# Allegro board hash851-X26_V1_0_180425.brd (continued)
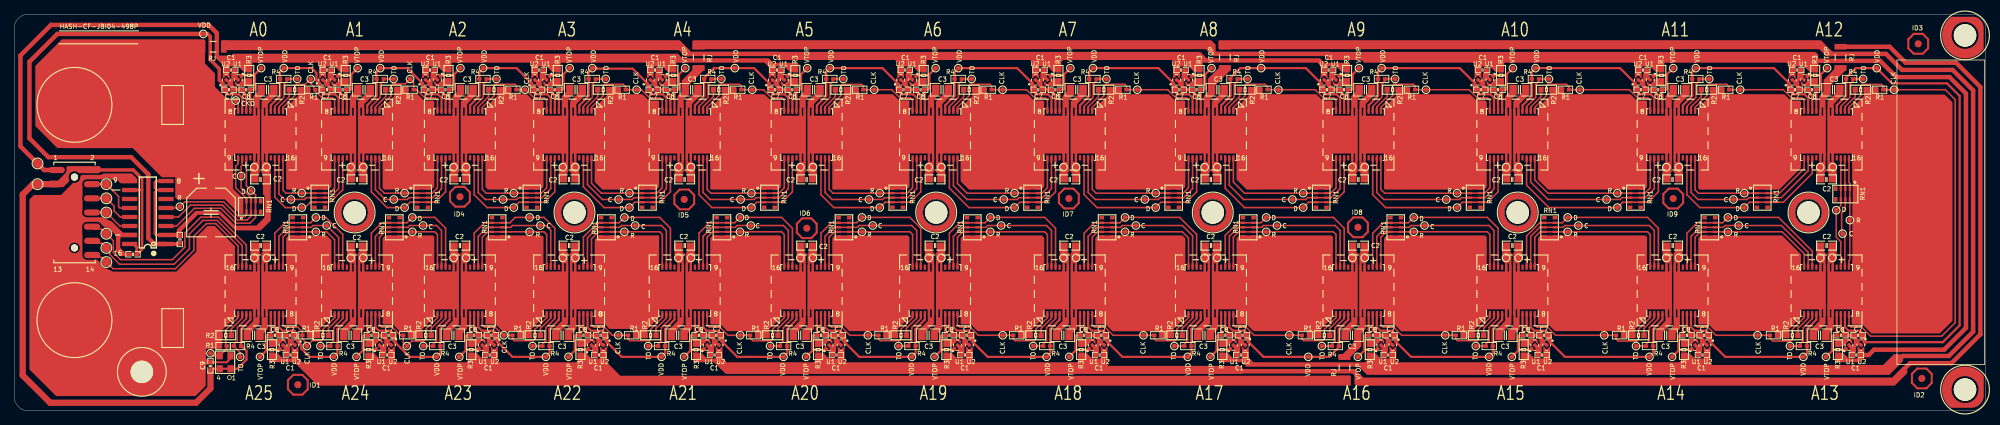
[diagram p0: board, top side]
## Copper pours and planes (outline as drawn; the poured copper is in the pictures) (continued)
VSS_A18 on TOP (solid shape): 151.02,12.86 151.03,12.84 151.03,11.65 151.76,10.92 152.91,10.92 153.07,10.92 153.09,10.9 153.09,10.38 153.48,10 153.48,9.68 153.56,9.6 153.68,9.6 153.99,9.29 153.99,9.27 153.7,8.98 153.66,8.98 153.37,9.26 153.1,9.26 152.99,9.15 152.99,8.27 152.84,8.13 152.84,7.75 152.72,7.62 152.21,7.62 152.09,7.75 152.09,8.86 151.84,9.12 151.84,9.4 151.96,9.53 152.08,9.52 152.33,9.27 152.54,9.27 152.68,9.41 152.68,10.03 152.31,10.39 151.07,10.39 151.05,10.41 151.05,11 150.69,11.35 150.69,13.97 151.02,13.97
VSS_A19 on TOP (solid shape): 132.02,12.86 132.03,12.84 132.03,11.65 132.76,10.92 133.91,10.92 134.07,10.92 134.09,10.9 134.09,10.38 134.48,10 134.48,9.68 134.56,9.6 134.68,9.6 134.99,9.29 134.99,9.27 134.7,8.98 134.66,8.98 134.37,9.26 134.1,9.26 133.99,9.15 133.99,8.27 133.84,8.13 133.84,7.75 133.72,7.62 133.21,7.62 133.09,7.75 133.09,8.86 132.84,9.12 132.84,9.4 132.96,9.53 133.08,9.52 133.33,9.27 133.54,9.27 133.68,9.41 133.68,10.03 133.31,10.39 132.07,10.39 132.05,10.41 132.05,11 131.69,11.35 131.69,13.97 132.02,13.97
VSS_A20 on TOP (solid shape): 113.92,12.86 113.93,12.84 113.93,11.65 114.66,10.92 115.81,10.92 115.97,10.92 115.99,10.9 115.99,10.38 116.38,10 116.38,9.68 116.46,9.6 116.58,9.6 116.89,9.29 116.89,9.27 116.6,8.98 116.56,8.98 116.27,9.26 116,9.26 115.89,9.15 115.89,8.27 115.74,8.13 115.74,7.75 115.62,7.62 115.11,7.62 114.99,7.75 114.99,8.86 114.74,9.12 114.74,9.4 114.86,9.53 114.98,9.52 115.23,9.27 115.44,9.27 115.58,9.41 115.58,10.03 115.21,10.39 113.97,10.39 113.95,10.41 113.95,11 113.59,11.35 113.59,13.97 113.92,13.97
VSS_A21 on TOP (solid shape): 96.72,12.86 96.73,12.84 96.73,11.65 97.46,10.92 98.61,10.92 98.77,10.92 98.79,10.9 98.79,10.38 99.18,10 99.18,9.68 99.26,9.6 99.38,9.6 99.69,9.29 99.69,9.27 99.4,8.98 99.36,8.98 99.07,9.26 98.8,9.26 98.69,9.15 98.69,8.27 98.54,8.13 98.54,7.75 98.42,7.62 97.91,7.62 97.79,7.75 97.79,8.86 97.54,9.12 97.54,9.4 97.67,9.53 97.78,9.52 98.03,9.27 98.24,9.27 98.38,9.41 98.38,10.03 98.01,10.39 96.77,10.39 96.75,10.41 96.75,11 96.39,11.35 96.39,13.97 96.72,13.97
VSS_A22 on TOP (solid shape): 80.42,12.86 80.43,12.84 80.43,11.65 81.16,10.92 82.31,10.92 82.47,10.92 82.49,10.9 82.49,10.38 82.88,10 82.88,9.68 82.96,9.6 83.08,9.6 83.39,9.29 83.39,9.27 83.1,8.98 83.06,8.98 82.77,9.26 82.5,9.26 82.39,9.15 82.39,8.27 82.24,8.13 82.24,7.75 82.12,7.62 81.61,7.62 81.49,7.75 81.49,8.86 81.24,9.12 81.24,9.4 81.36,9.53 81.48,9.52 81.73,9.27 81.94,9.27 82.08,9.41 82.08,10.03 81.71,10.39 80.47,10.39 80.45,10.41 80.45,11 80.09,11.35 80.09,13.97 80.42,13.97
VSS_A23 on TOP (solid shape): 65.02,12.86 65.03,12.84 65.03,11.65 65.76,10.92 67.16,10.92 67.16,10.32 67.61,9.87 67.61,9.66 67.65,9.62 67.66,9.6 67.68,9.6 67.99,9.29 67.99,9.27 67.7,8.98 67.66,8.98 67.37,9.26 67.1,9.26 66.99,9.15 66.99,8.27 66.84,8.13 66.84,7.75 66.72,7.62 66.21,7.62 66.09,7.75 66.09,8.86 65.84,9.12 65.84,9.4 65.96,9.53 66.08,9.52 66.33,9.27 66.53,9.27 66.68,9.41 66.68,10.03 66.31,10.39 65.07,10.39 65.05,10.41 65.05,11 64.69,11.35 64.69,13.97 65.02,13.97
VSS_A24 on TOP (solid shape): 50.52,12.86 50.53,12.84 50.53,11.65 51.26,10.92 52.41,10.92 52.57,10.92 52.59,10.9 52.59,10.38 52.98,10 52.98,9.68 53.06,9.6 53.18,9.6 53.49,9.29 53.49,9.27 53.2,8.98 53.16,8.98 52.87,9.26 52.6,9.26 52.49,9.15 52.49,8.27 52.34,8.13 52.34,7.75 52.22,7.62 51.71,7.62 51.59,7.75 51.59,8.86 51.34,9.12 51.34,9.4 51.46,9.53 51.58,9.52 51.83,9.27 52.04,9.27 52.18,9.41 52.18,10.03 51.81,10.39 50.57,10.39 50.55,10.41 50.55,11 50.19,11.35 50.19,13.97 50.52,13.97
VSS_A25 on TOP (solid shape): 36.92,12.86 36.93,12.84 36.93,11.65 37.66,10.92 38.67,10.92 38.67,10.43 38.92,10.19 39.19,10.19 39.38,10 39.38,9.68 39.46,9.6 39.58,9.6 39.89,9.29 39.89,9.27 39.6,8.98 39.56,8.98 39.27,9.26 39,9.26 38.89,9.15 38.89,8.27 38.74,8.13 38.74,7.75 38.62,7.62 38.11,7.62 37.99,7.75 37.99,8.86 37.74,9.12 37.74,9.4 37.86,9.53 37.98,9.52 38.23,9.27 38.44,9.27 38.58,9.41 38.58,10.03 38.21,10.39 36.97,10.39 36.95,10.41 36.95,11 36.59,11.35 36.59,13.97 36.92,13.97
LDO_VCC_A6 on TOP (solid shape): 95.37,50.8 95.37,50.16 95.24,50.04 94.61,50.04 93.72,50.93 29.33,50.93 29.2,51.05 29.2,52.2 29.33,52.32 93.84,52.32
LDO_VCC_A6 on TOP (solid shape): 168.14,49.78 184.13,49.78 184.78,49.14 188.25,49.14 188.35,49.04 188.35,47.97 188.25,47.87 187.13,47.87 186.4,48.6 185.25,48.6 185.17,48.52 185.17,46.96 185.16,46.96 185.1,46.96 184.7,47.35 184.31,46.96 184.25,46.96 184.21,47 184.21,48.7 183.76,49.15 167.66,49.15 167.55,49.04 167.55,47.97 167.45,47.87 166.33,47.87 165.6,48.6 164.45,48.6 164.37,48.52 164.37,46.96 164.36,46.96 164.3,46.96 163.9,47.35 163.51,46.96 163.45,46.96 163.41,47 163.41,49.3 163.18,49.53 147.95,49.53 147.65,49.23 147.65,47.97 147.55,47.87 146.43,47.87 145.7,48.6 144.55,48.6 144.47,48.52 144.47,46.96 144.46,46.96 144.4,46.96 144,47.35 143.61,46.96 143.55,46.96 143.51,47 143.51,49.27 143.25,49.53 128.77,49.53 128.65,49.41 128.65,47.97 128.55,47.87 127.43,47.87 126.7,48.6 125.55,48.6 125.47,48.52 125.47,46.96 125.46,46.96 125.4,46.96 125,47.35 124.61,46.96 124.55,46.96 124.51,47 124.51,48.51 124.55,48.55 124.55,49.18 124.2,49.53 107.69,49.53 107.43,49.78 107.43,50.67 167.25,50.67
LDO_VCC_A10 on TOP (solid shape): 169.41,51.69 169.41,50.42 169.28,50.29 168.77,50.29 168.01,51.05 95.62,51.05 95.62,52.2 95.75,52.32 168.77,52.32
LDO_VCC_A10 on TOP (solid shape): 260.38,8.65 260.77,9.04 260.83,9.04 260.87,9 260.87,7.49 260.24,6.86 256.84,6.86 256.73,6.96 256.73,8.03 256.84,8.13 257.95,8.13 258.68,7.4 259.84,7.4 259.92,7.48 259.92,9.04 259.92,9.04 259.99,9.04
LDO_VCC_A10 on TOP (solid shape): 254.37,50.29 254.37,49.19 254.35,49.17 254.35,47.97 254.25,47.87 253.13,47.87 252.4,48.6 251.25,48.6 251.17,48.52 251.17,46.96 251.16,46.96 251.1,46.96 250.7,47.35 250.31,46.96 250.25,46.96 250.21,47 250.21,48.87 249.93,49.16 232.78,49.16 232.65,49.02 232.65,47.97 232.55,47.87 231.43,47.87 230.7,48.6 229.55,48.6 229.47,48.52 229.47,46.96 229.46,46.96 229.4,46.96 229,47.35 228.61,46.96 228.55,46.96 228.51,47 228.51,48.98 228.33,49.16 210.18,49.16 210.05,49.02 210.05,47.97 209.95,47.87 208.83,47.87 208.1,48.6 206.95,48.6 206.87,48.52 206.87,46.96 206.86,46.96 206.8,46.96 206.4,47.35 206.01,46.96 205.95,46.96 205.91,47 205.91,49.1 205.85,49.16 204.83,49.16 204.83,49.15 190.36,49.15 189.98,49.53 185.16,49.53 185.03,49.66 185.03,50.55 185.16,50.67 253.99,50.67
LDO_VCC_A14 on TOP (solid shape): 256.4,50.67 256.4,50.16 256.28,50.04 255.51,50.04 254.5,51.05 169.92,51.05 169.79,51.18 169.79,52.2 169.92,52.32 254.75,52.32
LDO_VCC_A14 on TOP (solid shape): 173.58,8.65 173.97,9.04 174.03,9.04 174.07,9 174.07,7.53 174.74,6.86 190.48,6.86 190.73,7.11 190.73,8.03 190.84,8.13 191.95,8.13 192.69,7.4 193.84,7.4 193.92,7.48 193.92,9.04 193.92,9.04 193.99,9.04 194.38,8.65 194.77,9.04 194.83,9.04 194.87,9 194.87,7.05 195.06,6.86 212.18,6.86 212.43,7.11 212.43,8.03 212.54,8.13 213.65,8.13 214.38,7.4 215.54,7.4 215.62,7.48 215.62,9.04 215.62,9.04 215.69,9.04 216.08,8.65 216.47,9.04 216.53,9.04 216.57,9 216.57,7.07 216.78,6.86 234.78,6.86 235.03,7.11 235.03,8.03 235.14,8.13 236.25,8.13 236.98,7.4 238.14,7.4 238.22,7.48 238.22,9.04 238.22,9.04 238.29,9.04 238.68,8.65 239.07,9.04 239.13,9.04 239.17,9 239.17,6.69 239.39,6.48 263.52,6.48 265.04,8 265.93,8 266.31,7.62 266.31,6.99 264.4,5.08 190.74,5.08 189.6,6.22 173.73,6.22 173.09,6.86 170.04,6.86 169.93,6.96 169.93,8.03 170.04,8.13 171.15,8.13 171.88,7.4 173.04,7.4 173.12,7.48 173.12,9.04 173.12,9.04 173.19,9.04
LDO_VCC_A18 on TOP (solid shape): 266.94,5.71 266.94,5.33 265.17,3.56 189.22,3.56 188.97,3.81 188.97,5.08 189.86,5.08 190.24,4.7 264.79,4.7 266.31,6.22 266.44,6.22
LDO_VCC_A18 on TOP (solid shape): 99.38,8.65 99.77,9.04 99.83,9.04 99.87,9 99.87,7.49 100.5,6.86 112.68,6.86 112.93,7.11 112.93,8.03 113.04,8.13 114.15,8.13 114.88,7.4 116.04,7.4 116.12,7.48 116.12,9.04 116.12,9.04 116.19,9.04 116.58,8.65 116.97,9.04 117.03,9.04 117.07,9 117.07,7 117.21,6.86 130.91,6.86 131.03,6.99 131.03,8.03 131.14,8.13 132.25,8.13 132.99,7.4 134.14,7.4 134.22,7.48 134.22,9.04 134.22,9.04 134.29,9.04 134.68,8.65 135.07,9.04 135.13,9.04 135.17,9 135.17,6.93 135.25,6.86 149.85,6.86 150.03,7.04 150.03,8.03 150.14,8.13 151.25,8.13 151.98,7.4 153.14,7.4 153.22,7.48 153.22,9.04 153.22,9.04 153.29,9.04 153.68,8.65 154.07,9.04 154.13,9.04 154.17,9 154.17,6.47 154.3,6.35 172.84,6.35 173.22,5.97 173.22,5.33 173.09,5.21 100.32,5.21 98.67,6.86 95.84,6.86 95.73,6.96 95.73,8.03 95.84,8.13 96.95,8.13 97.69,7.4 98.84,7.4 98.92,7.48 98.92,9.04 98.92,9.04 98.99,9.04
LDO_VCC_A22 on TOP (solid shape): 39.58,8.65 39.97,9.04 40.03,9.04 40.07,9 40.07,7.42 40.63,6.86 49.41,6.86 49.53,6.99 49.53,8.03 49.64,8.13 50.75,8.13 51.48,7.4 52.64,7.4 52.72,7.48 52.72,9.04 52.72,9.04 52.79,9.04 53.18,8.65 53.57,9.04 53.63,9.04 53.67,9 53.67,7.02 53.84,6.86 63.91,6.86 64.03,6.99 64.03,8.03 64.14,8.13 65.25,8.13 65.98,7.4 67.14,7.4 67.22,7.48 67.22,9.04 67.22,9.04 67.29,9.04 67.68,8.65 68.07,9.04 68.13,9.04 68.17,9 68.17,7.49 68.14,7.45 68.14,7.04 68.32,6.86 79.24,6.86 79.43,7.05 79.43,8.03 79.54,8.13 80.65,8.13 81.38,7.4 82.54,7.4 82.62,7.48 82.62,9.04 82.62,9.04 82.69,9.04 83.08,8.65 83.47,9.04 83.53,9.04 83.57,9 83.57,7.49 83.57,7.48 83.57,6.85 85.46,4.95 188.33,4.95 188.46,4.83 188.46,3.56 42.79,3.56 39.49,6.86 36.04,6.86 35.93,6.96 35.93,8.03 36.04,8.13 37.15,8.13 37.88,7.4 39.04,7.4 39.12,7.48 39.12,9.04 39.12,9.04 39.19,9.04
LDO_VDD_A0 on TOP (solid shape): 33.54,46.94 33.54,45.92 33.46,45.84 31.36,45.84 31.14,46.07 31.14,46.5 31.18,46.5 31.52,46.15 31.65,46.15 32.46,46.96 33.52,46.96
LDO_VDD_A1 on TOP (solid shape): 47.14,46.94 47.14,45.92 47.06,45.84 44.96,45.84 44.74,46.07 44.74,46.5 44.78,46.5 45.12,46.15 45.25,46.15 46.06,46.96 47.12,46.96
LDO_VDD_A2 on TOP (solid shape): 61.64,46.94 61.64,45.92 61.56,45.84 59.46,45.84 59.24,46.07 59.24,46.5 59.28,46.5 59.62,46.15 59.75,46.15 60.56,46.96 61.62,46.96
LDO_VDD_A3 on TOP (solid shape): 77.04,46.94 77.04,45.92 76.96,45.84 74.86,45.84 74.64,46.07 74.64,46.5 74.68,46.5 75.02,46.15 75.15,46.15 75.96,46.96 77.02,46.96
LDO_VDD_A4 on TOP (solid shape): 93.34,46.94 93.34,45.92 93.26,45.84 91.17,45.84 90.94,46.07 90.94,46.5 90.98,46.5 91.32,46.15 91.45,46.15 92.26,46.96 93.32,46.96
LDO_VDD_A5 on TOP (solid shape): 110.54,46.94 110.54,45.92 110.46,45.84 108.37,45.84 108.14,46.07 108.14,46.5 108.18,46.5 108.52,46.15 108.65,46.15 109.46,46.96 110.52,46.96
LDO_VDD_A6 on TOP (solid shape): 128.64,46.94 128.64,45.92 128.56,45.84 126.47,45.84 126.24,46.07 126.24,46.5 126.28,46.5 126.62,46.15 126.75,46.15 127.56,46.96 128.62,46.96
LDO_VDD_A7 on TOP (solid shape): 147.64,46.94 147.64,45.92 147.56,45.84 145.47,45.84 145.24,46.07 145.24,46.5 145.28,46.5 145.62,46.15 145.75,46.15 146.56,46.96 147.62,46.96
LDO_VDD_A8 on TOP (solid shape): 167.54,46.94 167.54,45.92 167.46,45.84 165.36,45.84 165.14,46.07 165.14,46.5 165.18,46.5 165.52,46.15 165.65,46.15 166.46,46.96 167.52,46.96
LDO_VDD_A9 on TOP (solid shape): 188.34,46.94 188.34,45.92 188.26,45.84 186.17,45.84 185.94,46.07 185.94,46.5 185.98,46.5 186.33,46.15 186.45,46.15 187.26,46.96 188.32,46.96
LDO_VDD_A10 on TOP (solid shape): 210.04,46.94 210.04,45.92 209.96,45.84 207.86,45.84 207.64,46.07 207.64,46.5 207.68,46.5 208.02,46.15 208.15,46.15 208.96,46.96 210.02,46.96
LDO_VDD_A11 on TOP (solid shape): 232.64,46.94 232.64,45.92 232.56,45.84 230.46,45.84 230.24,46.07 230.24,46.5 230.28,46.5 230.62,46.15 230.75,46.15 231.56,46.96 232.62,46.96
LDO_VDD_A12 on TOP (solid shape): 254.34,46.94 254.34,45.92 254.26,45.84 252.16,45.84 251.94,46.07 251.94,46.5 251.98,46.5 252.32,46.15 252.45,46.15 253.26,46.96 254.32,46.96
LDO_VDD_A13 on TOP (solid shape): 259.15,9.93 259.14,9.5 259.11,9.5 258.76,9.85 258.64,9.85 257.82,9.04 256.76,9.04 256.74,9.06 256.74,10.08 256.82,10.16 258.92,10.16
LDO_VDD_A14 on TOP (solid shape): 237.45,9.93 237.44,9.5 237.41,9.5 237.06,9.85 236.94,9.85 236.12,9.04 235.06,9.04 235.04,9.06 235.04,10.08 235.13,10.16 237.22,10.16
LDO_VDD_A15 on TOP (solid shape): 214.85,9.93 214.84,9.5 214.81,9.5 214.46,9.85 214.34,9.85 213.52,9.04 212.46,9.04 212.44,9.06 212.44,10.08 212.53,10.16 214.62,10.16
LDO_VDD_A16 on TOP (solid shape): 193.15,9.93 193.15,9.5 193.11,9.5 192.76,9.85 192.64,9.85 191.82,9.04 190.77,9.04 190.74,9.06 190.74,10.08 190.83,10.16 192.92,10.16
LDO_VDD_A17 on TOP (solid shape): 172.35,9.93 172.34,9.5 172.31,9.5 171.96,9.85 171.84,9.85 171.02,9.04 169.96,9.04 169.94,9.06 169.94,10.08 170.03,10.16 172.12,10.16
LDO_VDD_A18 on TOP (solid shape): 152.45,9.93 152.44,9.5 152.41,9.5 152.06,9.85 151.94,9.85 151.12,9.04 150.06,9.04 150.04,9.06 150.04,10.08 150.13,10.16 152.22,10.16
LDO_VDD_A19 on TOP (solid shape): 133.45,9.93 133.44,9.5 133.41,9.5 133.06,9.85 132.94,9.85 132.12,9.04 131.07,9.04 131.04,9.06 131.04,10.08 131.13,10.16 133.22,10.16
LDO_VDD_A20 on TOP (solid shape): 115.35,9.93 115.34,9.5 115.31,9.5 114.96,9.85 114.84,9.85 114.02,9.04 112.96,9.04 112.94,9.06 112.94,10.08 113.03,10.16 115.12,10.16
LDO_VDD_A21 on TOP (solid shape): 98.15,9.93 98.15,9.5 98.11,9.5 97.76,9.85 97.64,9.85 96.82,9.04 95.77,9.04 95.74,9.06 95.74,10.08 95.83,10.16 97.92,10.16
LDO_VDD_A22 on TOP (solid shape): 81.85,9.93 81.84,9.5 81.81,9.5 81.46,9.85 81.34,9.85 80.52,9.04 79.46,9.04 79.44,9.06 79.44,10.08 79.53,10.16 81.62,10.16
LDO_VDD_A23 on TOP (solid shape): 66.45,9.93 66.45,9.5 66.44,9.5 66.41,9.5 66.06,9.85 65.94,9.85 65.12,9.04 64.06,9.04 64.04,9.06 64.04,10.08 64.13,10.16 66.22,10.16
LDO_VDD_A24 on TOP (solid shape): 51.95,9.93 51.94,9.5 51.91,9.5 51.56,9.85 51.44,9.85 50.62,9.04 49.56,9.04 49.54,9.06 49.54,10.08 49.62,10.16 51.72,10.16
LDO_VDD_A25 on TOP (solid shape): 38.35,9.93 38.34,9.5 38.31,9.5 37.96,9.85 37.84,9.85 37.02,9.04 35.96,9.04 35.94,9.06 35.94,10.08 36.03,10.16 38.12,10.16
Net_39 on TOP (solid shape): outline of 195 points within 271.82,0.43 277.71,6.25
Net_41 on TOP (solid shape): outline of 194 points within 271.82,49.75 277.69,55.63
Net_387 on TOP (solid shape): outline of 216 points within 76.26,25.26 81.74,30.74
Net_388 on BOTTOM (solid shape): outline of 214 points within 76.26,25.26 81.74,30.74
Net_389 on TOP (solid shape): outline of 216 points within 127.26,25.26 132.74,30.74
Net_390 on BOTTOM (solid shape): outline of 214 points within 127.26,25.26 132.74,30.74
Net_391 on TOP (solid shape): outline of 216 points within 166.26,25.26 171.74,30.74
Net_392 on BOTTOM (solid shape): outline of 214 points within 166.26,25.26 171.74,30.74
Net_393 on TOP (solid shape): outline of 216 points within 209.26,25.26 214.74,30.74
Net_394 on BOTTOM (solid shape): outline of 214 points within 209.26,25.26 214.74,30.74
Net_395 on TOP (solid shape): outline of 216 points within 45.26,25.26 50.74,30.74
Net_396 on BOTTOM (solid shape): outline of 214 points within 45.26,25.26 50.74,30.74
Net_397 on TOP (solid shape): outline of 216 points within 250.26,25.26 255.74,30.74
Net_398 on BOTTOM (solid shape): outline of 214 points within 250.26,25.26 255.74,30.74
VCORE on TOP (solid shape): 26.91,52.32 26.91,49.02 28.31,47.62 28.31,45.74 30.22,43.84 30.65,43.84 30.65,43.77 30.66,43.71 30.67,43.64 30.7,43.58 30.73,43.52 30.77,43.46 30.81,43.41 30.86,43.36 30.92,43.32 30.98,43.29 31.04,43.26 31.11,43.24 31.14,43.24 31.14,41.72 31.21,41.65 33.72,41.65 33.72,42.65 34.04,42.65 34.04,41.65 34.29,41.65 34.29,42.65 34.29,42.79 34.04,42.79 33.72,42.65 33.72,44.44 34.33,45.06 34.33,45.97 35.33,45.97 35.33,44.7 34.62,43.98 34.62,34.39 34.61,34.39 34.61,33.63 34.43,33.45 34.43,32.32 34.38,32.27 33.37,32.27 33.3,32.34 33.3,34.66 33.72,35.08 33.72,35.17 34.29,35.17 34.29,35.35 34.29,36.35 34.04,36.35 34.04,35.17 33.72,35.17 33.72,36.35 31.21,36.35 30.85,35.99 30.85,31.37 32.3,29.92 32.3,27.86 32.25,27.81 31.74,27.81 29.71,29.85 23.89,29.85 23.89,29.84 22.97,29.84 22.71,30.1 22.71,32.77 22.71,32.77 22.71,32.98 20.82,32.98 16.71,37.08 7,37.08 6.99,37.09 6.08,37.09 2.98,40.2 2.98,48.7 6.72,52.45 26.79,52.45
VCORE+_A2 on TOP (solid shape): outline of 103 points within 48.47,31.24 63.43,45.97
VCORE+_A3 on TOP (solid shape): outline of 102 points within 62.97,31.24 78.83,45.97
VCORE+_A4 on TOP (solid shape): outline of 108 points within 78.37,31.24 97.27,48.77
VCORE+_A5 on TOP (solid shape): outline of 100 points within 94.67,31.24 112.33,45.97
VCORE+_A6 on TOP (solid shape): outline of 101 points within 111.87,31.24 130.43,45.97
VCORE+_A7 on TOP (solid shape): outline of 103 points within 129.97,31.24 149.43,45.97
VCORE+_A8 on TOP (solid shape): outline of 108 points within 148.97,31.24 171.52,48.79
VCORE+_A9 on TOP (solid shape): outline of 105 points within 168.87,31.24 190.13,45.97
VCORE+_A10 on TOP (solid shape): outline of 96 points within 189.67,31.24 211.83,45.97
VCORE+_A11 on TOP (solid shape): outline of 102 points within 211.37,31.24 234.43,45.97
VCORE+_A12 on TOP (solid shape): outline of 107 points within 233.97,31.24 258.31,48.77
VCORE+_A13 on TOP (solid shape): outline of 117 points within 254.95,10.03 273.29,45.97
VCORE+_A14 on TOP (solid shape): outline of 98 points within 233.25,10.03 255.42,24.77
VCORE+_A15 on TOP (solid shape): outline of 99 points within 210.65,10.03 233.72,24.77
VCORE+_A16 on TOP (solid shape): outline of 112 points within 186.68,7.24 211.12,24.77
VCORE+_A17 on TOP (solid shape): outline of 102 points within 168.15,10.03 189.42,24.77
VCORE+_A18 on TOP (solid shape): outline of 106 points within 148.25,10.03 168.62,24.77
VCORE+_A19 on TOP (solid shape): outline of 100 points within 129.25,10.03 148.72,24.77
VCORE+_A20 on TOP (solid shape): outline of 99 points within 111.15,10.03 129.72,24.77
VCORE+_A21 on TOP (solid shape): outline of 98 points within 93.95,10.03 111.62,24.77
VCORE+_A22 on TOP (solid shape): outline of 101 points within 77.65,10.03 94.42,24.77
VCORE+_A23 on TOP (solid shape): outline of 103 points within 62.25,10.03 78.12,24.77
VCORE+_A24 on TOP (solid shape): outline of 101 points within 47.75,10.03 62.72,24.77
VCORE+_A25 on TOP (solid shape): outline of 98 points within 34.15,10.03 48.22,24.77
VIOA_A0 on TOP (solid shape): 29.72,46.28 29.72,45.99 30.17,45.54 30.17,44.7 30.14,44.66 29.83,44.66 29.16,45.33 29.16,46.65 29.24,46.73 29.26,46.73
VIOA_A1 on TOP (solid shape): 43.32,46.28 43.32,45.99 43.77,45.54 43.77,44.7 43.74,44.66 43.43,44.66 43,45.09 43,45.78 42.76,46.02 42.76,46.65 42.84,46.73 42.86,46.73
VIOA_A2 on TOP (solid shape): 57.82,46.28 57.82,45.99 58.27,45.54 58.27,44.7 58.24,44.66 57.93,44.66 57.5,45.09 57.5,45.78 57.26,46.02 57.26,46.65 57.34,46.73 57.36,46.73
VIOA_A3 on TOP (solid shape): 73.22,46.28 73.22,45.99 73.67,45.54 73.67,44.7 73.64,44.66 73.33,44.66 72.9,45.09 72.9,45.57 72.66,45.81 72.66,46.65 72.74,46.73 72.76,46.73
VIOA_A4 on TOP (solid shape): 89.52,46.28 89.52,45.99 89.97,45.54 89.97,44.7 89.94,44.66 89.63,44.66 89.2,45.09 89.2,45.78 88.96,46.02 88.96,46.65 89.04,46.73 89.06,46.73
VIOA_A5 on TOP (solid shape): 106.72,46.28 106.72,45.99 107.17,45.54 107.17,44.7 107.14,44.66 106.83,44.66 106.16,45.33 106.16,46.65 106.24,46.73 106.26,46.73
VIOA_A6 on TOP (solid shape): 124.82,46.28 124.82,45.99 125.27,45.54 125.27,44.7 125.24,44.66 124.93,44.66 124.26,45.33 124.26,46.65 124.34,46.73 124.36,46.73
VIOA_A7 on TOP (solid shape): 143.82,46.28 143.82,45.99 144.27,45.54 144.27,44.7 144.24,44.66 143.93,44.66 143.26,45.33 143.26,46.65 143.34,46.73 143.36,46.73
VIOA_A8 on TOP (solid shape): 163.72,46.28 163.72,45.99 164.17,45.54 164.17,44.7 164.14,44.66 163.83,44.66 163.16,45.33 163.16,46.65 163.24,46.73 163.26,46.73
VIOA_A9 on TOP (solid shape): 184.52,46.28 184.52,45.99 184.97,45.54 184.97,44.7 184.94,44.66 184.63,44.66 183.96,45.33 183.96,46.65 184.04,46.73 184.06,46.73
VIOA_A10 on TOP (solid shape): 206.22,46.28 206.22,45.99 206.67,45.54 206.67,44.7 206.64,44.66 206.33,44.66 205.66,45.33 205.66,46.65 205.74,46.73 205.76,46.73
VIOA_A11 on TOP (solid shape): 228.82,46.28 228.82,45.99 229.27,45.54 229.27,44.7 229.24,44.66 228.93,44.66 228.26,45.33 228.26,46.65 228.34,46.73 228.36,46.73
VIOA_A12 on TOP (solid shape): 250.52,46.28 250.52,45.99 250.97,45.54 250.97,44.7 250.94,44.66 250.63,44.66 249.96,45.33 249.96,46.65 250.04,46.73 250.06,46.73
VIOA_A13 on TOP (solid shape): 261.13,10.67 261.13,9.35 261.04,9.27 261.02,9.27 260.56,9.73 260.56,10.01 260.11,10.46 260.11,11.3 260.15,11.34 260.45,11.34
VIOA_A14 on TOP (solid shape): 239.43,10.67 239.43,9.35 239.34,9.27 239.32,9.27 238.86,9.73 238.86,10.01 238.41,10.46 238.41,11.3 238.45,11.34 238.75,11.34
VIOA_A15 on TOP (solid shape): 216.83,10.67 216.83,9.35 216.74,9.27 216.72,9.27 216.26,9.73 216.26,10.01 215.81,10.46 215.81,11.3 215.85,11.34 216.15,11.34
VIOA_A16 on TOP (solid shape): 195.13,10.67 195.13,9.35 195.05,9.27 195.02,9.27 194.56,9.73 194.56,10.01 194.11,10.46 194.11,11.3 194.15,11.34 194.45,11.34
VIOA_A17 on TOP (solid shape): 174.33,10.67 174.33,9.35 174.24,9.27 174.22,9.27 173.76,9.73 173.76,10.01 173.31,10.46 173.31,11.3 173.35,11.34 173.65,11.34
VIOA_A18 on TOP (solid shape): 154.43,10.67 154.43,9.35 154.34,9.27 154.32,9.27 153.86,9.73 153.86,10.01 153.41,10.46 153.41,11.3 153.45,11.34 153.75,11.34
VIOA_A19 on TOP (solid shape): 135.43,10.67 135.43,9.35 135.34,9.27 135.32,9.27 134.86,9.73 134.86,10.01 134.41,10.46 134.41,11.3 134.45,11.34 134.75,11.34
VIOA_A20 on TOP (solid shape): 117.33,10.67 117.33,9.35 117.24,9.27 117.22,9.27 116.76,9.73 116.76,10.01 116.31,10.46 116.31,11.3 116.35,11.34 116.65,11.34
VIOA_A21 on TOP (solid shape): 100.13,10.67 100.13,9.35 100.05,9.27 100.02,9.27 99.56,9.73 99.56,10.01 99.11,10.46 99.11,11.3 99.15,11.34 99.45,11.34
VIOA_A22 on TOP (solid shape): 83.83,10.67 83.83,9.35 83.74,9.27 83.72,9.27 83.26,9.73 83.26,10.01 82.81,10.46 82.81,11.3 82.85,11.34 83.15,11.34
VIOA_A23 on TOP (solid shape): 68.17,10.92 68.43,10.67 68.43,9.35 68.34,9.27 68.32,9.27 67.86,9.73 67.86,10.01 67.41,10.46 67.41,11.3 67.45,11.34 67.75,11.34
VIOA_A24 on TOP (solid shape): 53.93,10.67 53.93,9.35 53.84,9.27 53.82,9.27 53.36,9.73 53.36,10.01 52.91,10.46 52.91,11.3 52.95,11.34 53.25,11.34
VIOA_A25 on TOP (solid shape): 40.08,10.91 40.08,10.22 40.33,9.98 40.33,9.35 40.24,9.27 40.22,9.27 39.76,9.73 39.76,10.01 39.35,10.43 39.07,10.43 39.03,10.46 39.03,11.46 39.05,11.48 39.52,11.48

Small or netless copper shapes (teardrops, artwork), in the pictures only: 36 on TOP

## Text on the board
Ref Des/Silkscreen Top: 13 | 1 | HASH-CF-JBI04-498P | 14 | 2 | R | VDD | R2 | R1 | RJ | U2 | C7 | C1 | C | U1 | CKO | D | C8 | R4 | C2 | C3 | ID4 | 8 | ID5 | ID6 | ID7 | ID8 | RN1 | ID9 | C9 | TO | R3 | VTOP | CLK | A25 | A0 | A24 | A1 | A23 | A2 | A22 | A3 | A21 | A4 | A20 | A5 | A19 | A6 | A18 | A7 | A17 | A8 | A16 | A9 | A15 | A10 | A14 | A11 | A13 | A12
User.12: FIGURE | SIZE | 40.0 | 125.0 | DRILL CHART: TOP to BOTTOM | ALL UNITS ARE IN MILS | TOLERANCE | +3.0/-3.0 | PLATED | NON-PLATED | QTY | 2 | 9
